# Altium PCB PCB2.PcbDoc (part 1 of 2) (continued)
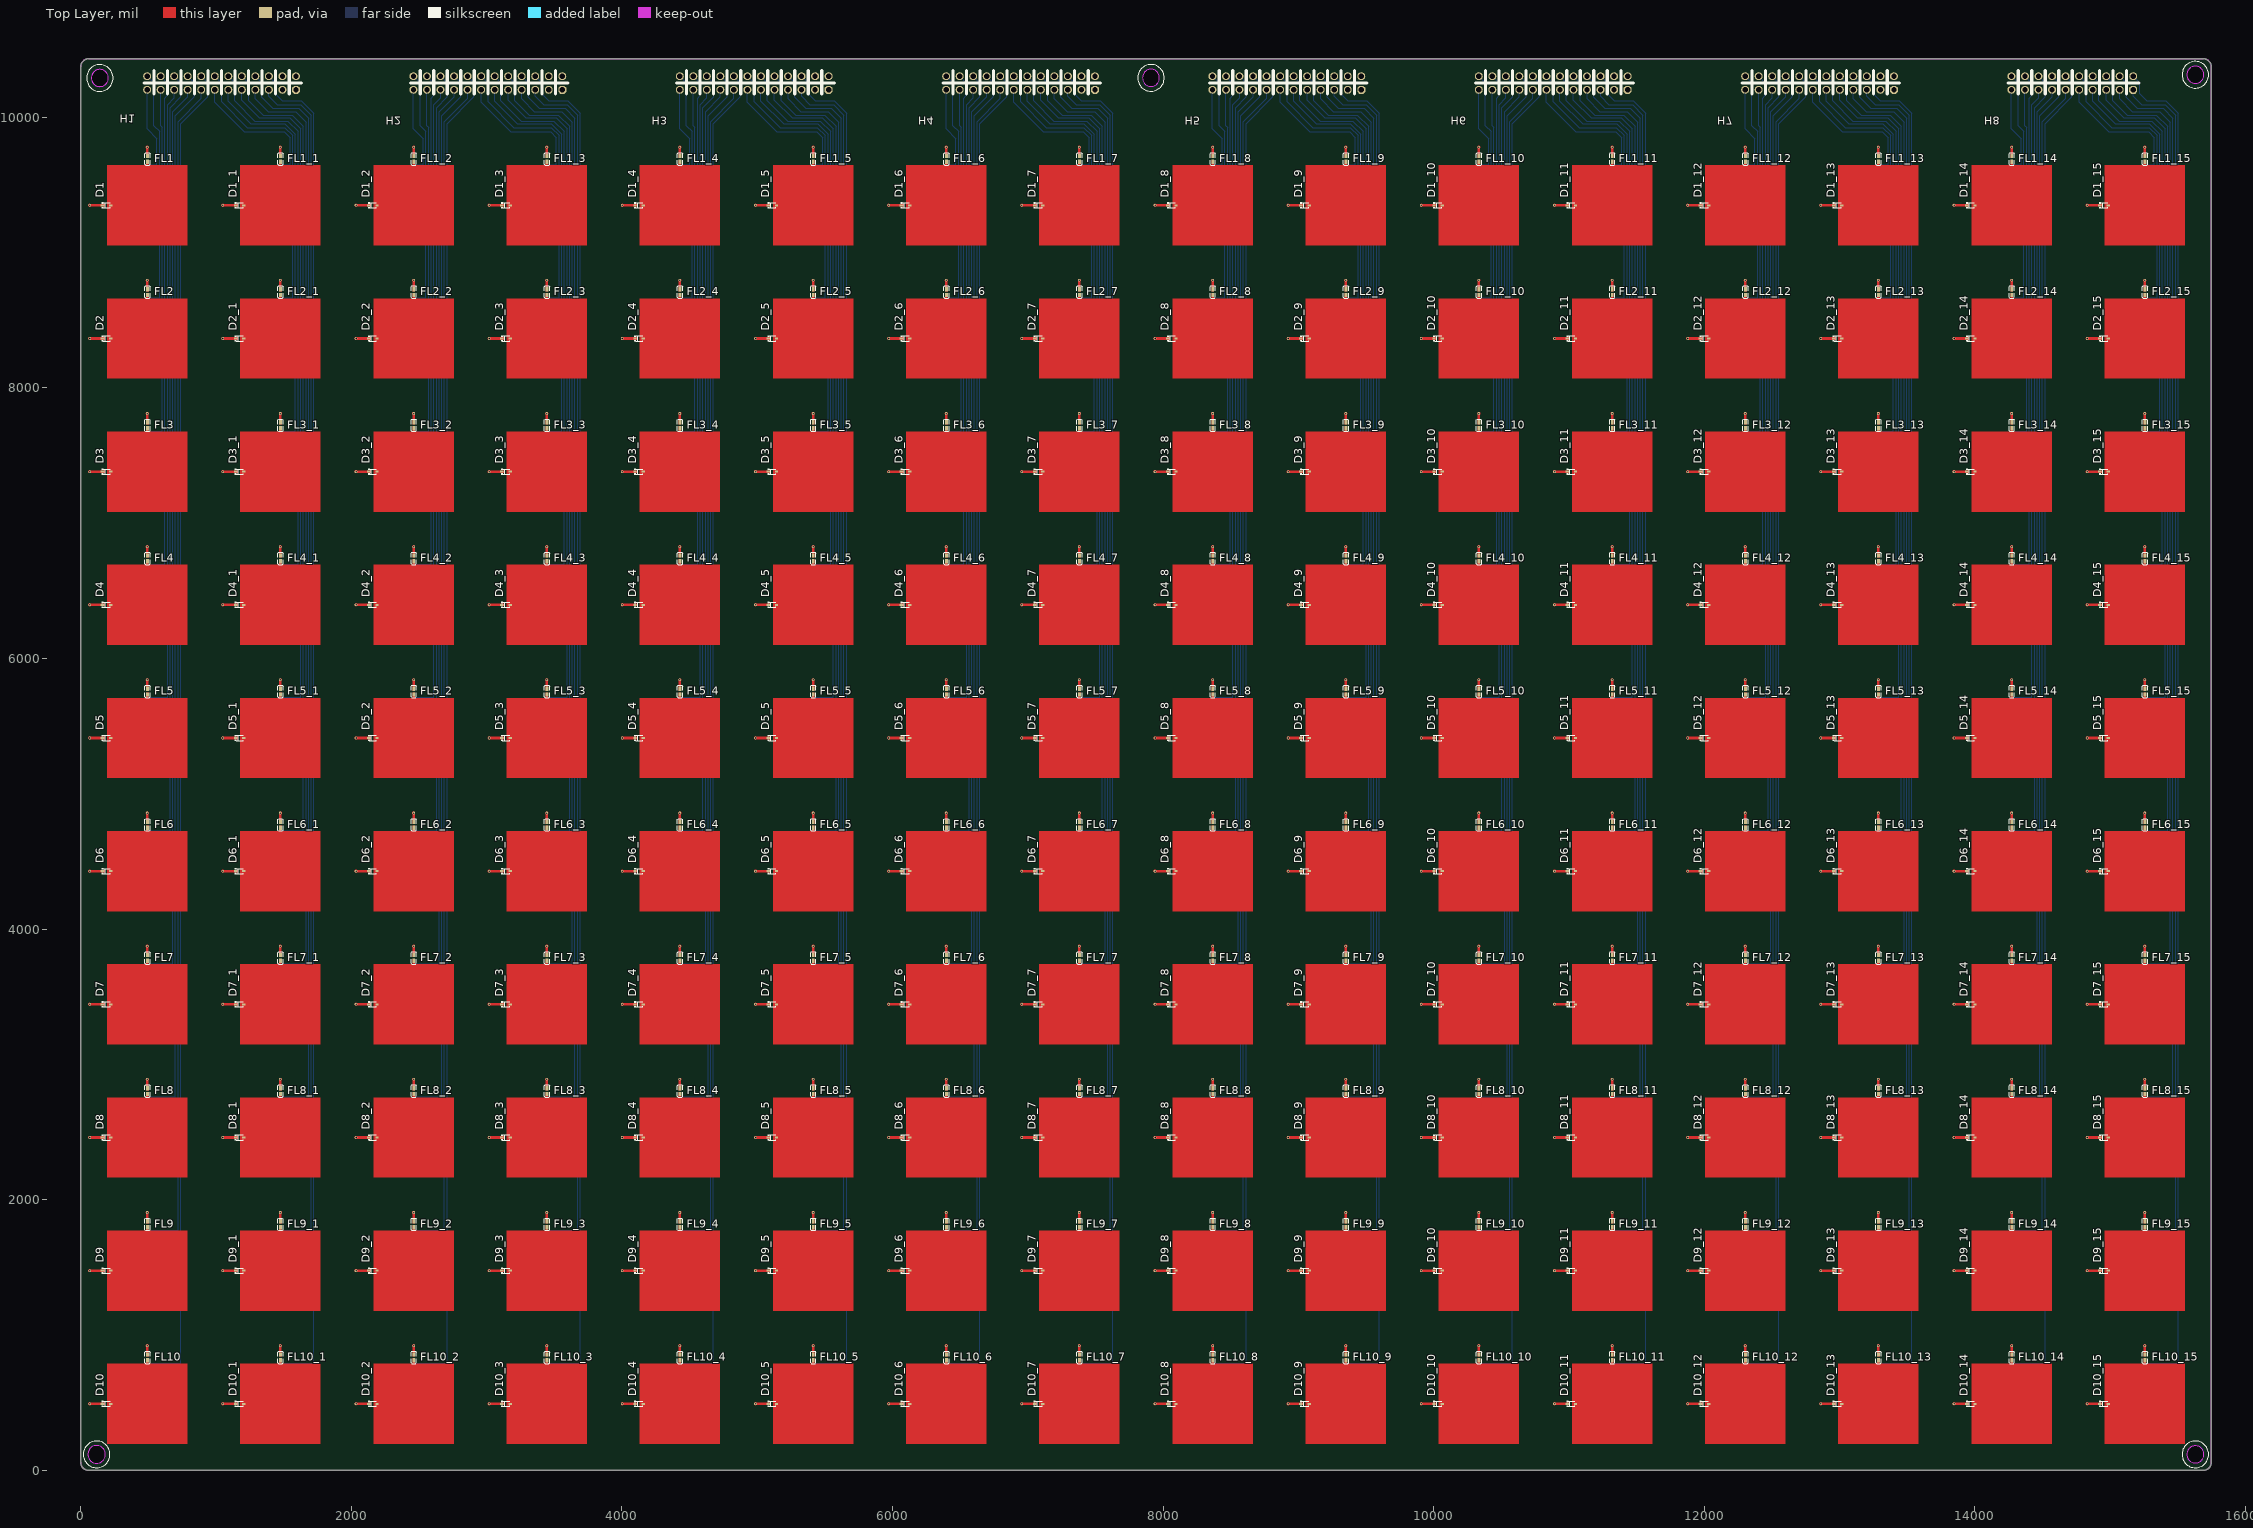
[diagram p0: Top Layer view]
## Components (designator, comment, footprint, x,y, rotation, side; value= is the part's Value field where it differs from the comment) (continued)
D10_8 "Comment" SC-79_L1.2-W0.8-LS1.6-RD 8064.86,490.57 r0 top locked
D10_9 "Comment" SC-79_L1.2-W0.8-LS1.6-RD 9049.11,490.57 r0 top locked
D10_10 "Comment" SC-79_L1.2-W0.8-LS1.6-RD 10033.36,490.57 r0 top locked
D10_11 "Comment" SC-79_L1.2-W0.8-LS1.6-RD 11017.61,490.57 r0 top locked
D10_12 "Comment" SC-79_L1.2-W0.8-LS1.6-RD 12001.87,490.57 r0 top locked
D10_13 "Comment" SC-79_L1.2-W0.8-LS1.6-RD 12986.12,490.57 r0 top locked
D10_14 "Comment" SC-79_L1.2-W0.8-LS1.6-RD 13970.37,490.57 r0 top locked
D10_15 "Comment" SC-79_L1.2-W0.8-LS1.6-RD 14954.62,490.57 r0 top locked
FL1 "Comment" L0402 492.84,9691.94 r270 top locked
FL1_1 "Comment" L0402 1477.09,9691.94 r270 top locked
FL1_2 "Comment" L0402 2461.35,9691.94 r270 top locked
FL1_3 "Comment" L0402 3445.6,9691.94 r270 top locked
FL1_4 "Comment" L0402 4429.85,9691.94 r270 top locked
FL1_5 "Comment" L0402 5414.1,9691.94 r270 top locked
FL1_6 "Comment" L0402 6398.35,9691.94 r270 top locked
FL1_7 "Comment" L0402 7382.61,9691.94 r270 top locked
FL1_8 "Comment" L0402 8366.86,9691.94 r270 top locked
FL1_9 "Comment" L0402 9351.11,9691.94 r270 top locked
FL1_10 "Comment" L0402 10335.36,9691.94 r270 top locked
FL1_11 "Comment" L0402 11319.61,9691.94 r270 top locked
FL1_12 "Comment" L0402 12303.87,9691.94 r270 top locked
FL1_13 "Comment" L0402 13288.12,9691.94 r270 top locked
FL1_14 "Comment" L0402 14272.37,9691.94 r270 top locked
FL1_15 "Comment" L0402 15256.62,9691.94 r270 top locked
FL2 "Comment" L0402 492.84,8707.69 r270 top locked
FL2_1 "Comment" L0402 1477.09,8707.69 r270 top locked
FL2_2 "Comment" L0402 2461.35,8707.69 r270 top locked
FL2_3 "Comment" L0402 3445.6,8707.69 r270 top locked
FL2_4 "Comment" L0402 4429.85,8707.69 r270 top locked
FL2_5 "Comment" L0402 5414.1,8707.69 r270 top locked
FL2_6 "Comment" L0402 6398.35,8707.69 r270 top locked
FL2_7 "Comment" L0402 7382.61,8707.69 r270 top locked
FL2_8 "Comment" L0402 8366.86,8707.69 r270 top locked
FL2_9 "Comment" L0402 9351.11,8707.69 r270 top locked
FL2_10 "Comment" L0402 10335.36,8707.69 r270 top locked
FL2_11 "Comment" L0402 11319.61,8707.69 r270 top locked
FL2_12 "Comment" L0402 12303.87,8707.69 r270 top locked
FL2_13 "Comment" L0402 13288.12,8707.69 r270 top locked
FL2_14 "Comment" L0402 14272.37,8707.69 r270 top locked
FL2_15 "Comment" L0402 15256.62,8707.69 r270 top locked
FL3 "Comment" L0402 492.84,7723.44 r270 top locked
FL3_1 "Comment" L0402 1477.09,7723.44 r270 top locked
FL3_2 "Comment" L0402 2461.35,7723.44 r270 top locked
FL3_3 "Comment" L0402 3445.6,7723.44 r270 top locked
FL3_4 "Comment" L0402 4429.85,7723.44 r270 top locked
FL3_5 "Comment" L0402 5414.1,7723.44 r270 top locked
FL3_6 "Comment" L0402 6398.35,7723.44 r270 top locked
FL3_7 "Comment" L0402 7382.61,7723.44 r270 top locked
FL3_8 "Comment" L0402 8366.86,7723.44 r270 top locked
FL3_9 "Comment" L0402 9351.11,7723.44 r270 top locked
FL3_10 "Comment" L0402 10335.36,7723.44 r270 top locked
FL3_11 "Comment" L0402 11319.61,7723.44 r270 top locked
FL3_12 "Comment" L0402 12303.87,7723.44 r270 top locked
FL3_13 "Comment" L0402 13288.12,7723.44 r270 top locked
FL3_14 "Comment" L0402 14272.37,7723.44 r270 top locked
FL3_15 "Comment" L0402 15256.62,7723.44 r270 top locked
FL4 "Comment" L0402 492.84,6739.19 r270 top locked
FL4_1 "Comment" L0402 1477.09,6739.19 r270 top locked
FL4_2 "Comment" L0402 2461.35,6739.19 r270 top locked
FL4_3 "Comment" L0402 3445.6,6739.19 r270 top locked
FL4_4 "Comment" L0402 4429.85,6739.19 r270 top locked
FL4_5 "Comment" L0402 5414.1,6739.19 r270 top locked
FL4_6 "Comment" L0402 6398.35,6739.19 r270 top locked
FL4_7 "Comment" L0402 7382.61,6739.19 r270 top locked
FL4_8 "Comment" L0402 8366.86,6739.19 r270 top locked
FL4_9 "Comment" L0402 9351.11,6739.19 r270 top locked
FL4_10 "Comment" L0402 10335.36,6739.19 r270 top locked
FL4_11 "Comment" L0402 11319.61,6739.19 r270 top locked
FL4_12 "Comment" L0402 12303.87,6739.19 r270 top locked
FL4_13 "Comment" L0402 13288.12,6739.19 r270 top locked
FL4_14 "Comment" L0402 14272.37,6739.19 r270 top locked
FL4_15 "Comment" L0402 15256.62,6739.19 r270 top locked
FL5 "Comment" L0402 492.84,5754.93 r270 top locked
FL5_1 "Comment" L0402 1477.09,5754.93 r270 top locked
FL5_2 "Comment" L0402 2461.35,5754.93 r270 top locked
FL5_3 "Comment" L0402 3445.6,5754.93 r270 top locked
FL5_4 "Comment" L0402 4429.85,5754.93 r270 top locked
FL5_5 "Comment" L0402 5414.1,5754.93 r270 top locked
FL5_6 "Comment" L0402 6398.35,5754.93 r270 top locked
FL5_7 "Comment" L0402 7382.61,5754.93 r270 top locked
FL5_8 "Comment" L0402 8366.86,5754.93 r270 top locked
FL5_9 "Comment" L0402 9351.11,5754.93 r270 top locked
FL5_10 "Comment" L0402 10335.36,5754.93 r270 top locked
FL5_11 "Comment" L0402 11319.61,5754.93 r270 top locked
FL5_12 "Comment" L0402 12303.87,5754.93 r270 top locked
FL5_13 "Comment" L0402 13288.12,5754.93 r270 top locked
FL5_14 "Comment" L0402 14272.37,5754.93 r270 top locked
FL5_15 "Comment" L0402 15256.62,5754.93 r270 top locked
FL6 "Comment" L0402 492.84,4770.68 r270 top locked
FL6_1 "Comment" L0402 1477.09,4770.68 r270 top locked
FL6_2 "Comment" L0402 2461.35,4770.68 r270 top locked
FL6_3 "Comment" L0402 3445.6,4770.68 r270 top locked
FL6_4 "Comment" L0402 4429.85,4770.68 r270 top locked
FL6_5 "Comment" L0402 5414.1,4770.68 r270 top locked
FL6_6 "Comment" L0402 6398.35,4770.68 r270 top locked
FL6_7 "Comment" L0402 7382.61,4770.68 r270 top locked
FL6_8 "Comment" L0402 8366.86,4770.68 r270 top locked
FL6_9 "Comment" L0402 9351.11,4770.68 r270 top locked
FL6_10 "Comment" L0402 10335.36,4770.68 r270 top locked
FL6_11 "Comment" L0402 11319.61,4770.68 r270 top locked
FL6_12 "Comment" L0402 12303.87,4770.68 r270 top locked
FL6_13 "Comment" L0402 13288.12,4770.68 r270 top locked
FL6_14 "Comment" L0402 14272.37,4770.68 r270 top locked
FL6_15 "Comment" L0402 15256.62,4770.68 r270 top locked
FL7 "Comment" L0402 492.84,3786.43 r270 top locked
FL7_1 "Comment" L0402 1477.09,3786.43 r270 top locked
FL7_2 "Comment" L0402 2461.35,3786.43 r270 top locked
FL7_3 "Comment" L0402 3445.6,3786.43 r270 top locked
FL7_4 "Comment" L0402 4429.85,3786.43 r270 top locked
FL7_5 "Comment" L0402 5414.1,3786.43 r270 top locked
FL7_6 "Comment" L0402 6398.35,3786.43 r270 top locked
FL7_7 "Comment" L0402 7382.61,3786.43 r270 top locked
FL7_8 "Comment" L0402 8366.86,3786.43 r270 top locked
FL7_9 "Comment" L0402 9351.11,3786.43 r270 top locked
FL7_10 "Comment" L0402 10335.36,3786.43 r270 top locked
FL7_11 "Comment" L0402 11319.61,3786.43 r270 top locked
FL7_12 "Comment" L0402 12303.87,3786.43 r270 top locked
FL7_13 "Comment" L0402 13288.12,3786.43 r270 top locked
FL7_14 "Comment" L0402 14272.37,3786.43 r270 top locked
FL7_15 "Comment" L0402 15256.62,3786.43 r270 top locked
FL8 "Comment" L0402 492.84,2802.18 r270 top locked
FL8_1 "Comment" L0402 1477.09,2802.18 r270 top locked
FL8_2 "Comment" L0402 2461.35,2802.18 r270 top locked
FL8_3 "Comment" L0402 3445.6,2802.18 r270 top locked
FL8_4 "Comment" L0402 4429.85,2802.18 r270 top locked
FL8_5 "Comment" L0402 5414.1,2802.18 r270 top locked
FL8_6 "Comment" L0402 6398.35,2802.18 r270 top locked
FL8_7 "Comment" L0402 7382.61,2802.18 r270 top locked
FL8_8 "Comment" L0402 8366.86,2802.18 r270 top locked
FL8_9 "Comment" L0402 9351.11,2802.18 r270 top locked
FL8_10 "Comment" L0402 10335.36,2802.18 r270 top locked
FL8_11 "Comment" L0402 11319.61,2802.18 r270 top locked
FL8_12 "Comment" L0402 12303.87,2802.18 r270 top locked
FL8_13 "Comment" L0402 13288.12,2802.18 r270 top locked
FL8_14 "Comment" L0402 14272.37,2802.18 r270 top locked
FL8_15 "Comment" L0402 15256.62,2802.18 r270 top locked
FL9 "Comment" L0402 492.84,1817.93 r270 top locked
FL9_1 "Comment" L0402 1477.09,1817.93 r270 top locked
FL9_2 "Comment" L0402 2461.35,1817.93 r270 top locked
FL9_3 "Comment" L0402 3445.6,1817.93 r270 top locked
FL9_4 "Comment" L0402 4429.85,1817.93 r270 top locked
FL9_5 "Comment" L0402 5414.1,1817.93 r270 top locked
FL9_6 "Comment" L0402 6398.35,1817.93 r270 top locked
FL9_7 "Comment" L0402 7382.61,1817.93 r270 top locked
FL9_8 "Comment" L0402 8366.86,1817.93 r270 top locked
FL9_9 "Comment" L0402 9351.11,1817.93 r270 top locked
FL9_10 "Comment" L0402 10335.36,1817.93 r270 top locked
FL9_11 "Comment" L0402 11319.61,1817.93 r270 top locked
FL9_12 "Comment" L0402 12303.87,1817.93 r270 top locked
FL9_13 "Comment" L0402 13288.12,1817.93 r270 top locked
FL9_14 "Comment" L0402 14272.37,1817.93 r270 top locked
FL9_15 "Comment" L0402 15256.62,1817.93 r270 top locked
FL10 "Comment" L0402 492.84,833.67 r270 top locked
FL10_1 "Comment" L0402 1477.09,833.67 r270 top locked
FL10_2 "Comment" L0402 2461.35,833.67 r270 top locked
FL10_3 "Comment" L0402 3445.6,833.67 r270 top locked
FL10_4 "Comment" L0402 4429.85,833.67 r270 top locked
FL10_5 "Comment" L0402 5414.1,833.67 r270 top locked
FL10_6 "Comment" L0402 6398.35,833.67 r270 top locked
FL10_7 "Comment" L0402 7382.61,833.67 r270 top locked
FL10_8 "Comment" L0402 8366.86,833.67 r270 top locked
FL10_9 "Comment" L0402 9351.11,833.67 r270 top locked
FL10_10 "Comment" L0402 10335.36,833.67 r270 top locked
FL10_11 "Comment" L0402 11319.61,833.67 r270 top locked
FL10_12 "Comment" L0402 12303.87,833.67 r270 top locked
FL10_13 "Comment" L0402 13288.12,833.67 r270 top locked
FL10_14 "Comment" L0402 14272.37,833.67 r270 top locked
FL10_15 "Comment" L0402 15256.62,833.67 r270 top locked
H1 "Comment" IDC2.54-24P 1591,10203 r180 bottom
H2 "Comment" IDC2.54-24P 3559.5,10203 r180 bottom
H3 "Comment" IDC2.54-24P 5528.01,10203 r180 bottom
H4 "Comment" IDC2.54-24P 7496.51,10203 r180 bottom
H5 "Comment" IDC2.54-24P 9465.02,10203 r180 bottom
H6 "Comment" IDC2.54-24P 11433.52,10203 r180 bottom
H7 "Comment" IDC2.54-24P 13402.02,10203 r180 bottom
H8 "Comment" IDC2.54-20P 15170.53,10203 r180 bottom
L1 "Comment" L0402 492.84,9691.84 r90 bottom locked
L1_1 "Comment" L0402 1477.09,9691.84 r90 bottom locked
L1_2 "Comment" L0402 2461.22,9691.84 r90 bottom locked
L1_3 "Comment" L0402 3445.6,9691.84 r90 bottom locked
L1_4 "Comment" L0402 4429.85,9691.84 r90 bottom locked
L1_5 "Comment" L0402 5414.1,9691.84 r90 bottom locked
L1_6 "Comment" L0402 6398.35,9691.84 r90 bottom locked
L1_7 "Comment" L0402 7382.61,9691.84 r90 bottom locked
L1_8 "Comment" L0402 8366.86,9691.84 r90 bottom locked
L1_9 "Comment" L0402 9351.11,9691.84 r90 bottom locked
L1_10 "Comment" L0402 10335.36,9691.84 r90 bottom locked
L1_11 "Comment" L0402 11319.61,9691.84 r90 bottom locked
L1_12 "Comment" L0402 12303.87,9691.84 r90 bottom locked
L1_13 "Comment" L0402 13288.12,9691.84 r90 bottom locked
L1_14 "Comment" L0402 14272.37,9691.84 r90 bottom locked
L1_15 "Comment" L0402 15256.62,9691.84 r90 bottom locked
L2 "Comment" L0402 492.84,8707.59 r90 bottom locked
L2_1 "Comment" L0402 1477.09,8707.59 r90 bottom locked
L2_2 "Comment" L0402 2461.22,8707.59 r90 bottom locked
L2_3 "Comment" L0402 3445.6,8707.59 r90 bottom locked
L2_4 "Comment" L0402 4429.85,8707.59 r90 bottom locked
L2_5 "Comment" L0402 5414.1,8707.59 r90 bottom locked
L2_6 "Comment" L0402 6398.35,8707.59 r90 bottom locked
L2_7 "Comment" L0402 7382.61,8707.59 r90 bottom locked
L2_8 "Comment" L0402 8366.86,8707.59 r90 bottom locked
L2_9 "Comment" L0402 9351.11,8707.59 r90 bottom locked
L2_10 "Comment" L0402 10335.36,8707.59 r90 bottom locked
L2_11 "Comment" L0402 11319.61,8707.59 r90 bottom locked
L2_12 "Comment" L0402 12303.87,8707.59 r90 bottom locked
L2_13 "Comment" L0402 13288.12,8707.59 r90 bottom locked
L2_14 "Comment" L0402 14272.37,8707.59 r90 bottom locked
L2_15 "Comment" L0402 15256.62,8707.59 r90 bottom locked
L3 "Comment" L0402 492.84,7723.34 r90 bottom locked
L3_1 "Comment" L0402 1477.09,7723.34 r90 bottom locked
L3_2 "Comment" L0402 2461.22,7723.34 r90 bottom locked
L3_3 "Comment" L0402 3445.6,7723.34 r90 bottom locked
L3_4 "Comment" L0402 4429.85,7723.34 r90 bottom locked
L3_5 "Comment" L0402 5414.1,7723.34 r90 bottom locked
L3_6 "Comment" L0402 6398.35,7723.34 r90 bottom locked
L3_7 "Comment" L0402 7382.61,7723.34 r90 bottom locked
L3_8 "Comment" L0402 8366.86,7723.34 r90 bottom locked
L3_9 "Comment" L0402 9351.11,7723.34 r90 bottom locked
L3_10 "Comment" L0402 10335.36,7723.34 r90 bottom locked
L3_11 "Comment" L0402 11319.61,7723.34 r90 bottom locked
L3_12 "Comment" L0402 12303.87,7723.34 r90 bottom locked
L3_13 "Comment" L0402 13288.12,7723.34 r90 bottom locked
L3_14 "Comment" L0402 14272.37,7723.34 r90 bottom locked
L3_15 "Comment" L0402 15256.62,7723.34 r90 bottom locked
L4 "Comment" L0402 492.84,6739.09 r90 bottom locked
L4_1 "Comment" L0402 1477.09,6739.09 r90 bottom locked
L4_2 "Comment" L0402 2461.22,6739.09 r90 bottom locked
L4_3 "Comment" L0402 3445.6,6739.09 r90 bottom locked
L4_4 "Comment" L0402 4429.85,6739.09 r90 bottom locked
L4_5 "Comment" L0402 5414.1,6739.09 r90 bottom locked
L4_6 "Comment" L0402 6398.35,6739.09 r90 bottom locked
L4_7 "Comment" L0402 7382.61,6739.09 r90 bottom locked
L4_8 "Comment" L0402 8366.86,6739.09 r90 bottom locked
L4_9 "Comment" L0402 9351.11,6739.09 r90 bottom locked
L4_10 "Comment" L0402 10335.36,6739.09 r90 bottom locked
L4_11 "Comment" L0402 11319.61,6739.09 r90 bottom locked
L4_12 "Comment" L0402 12303.87,6739.09 r90 bottom locked
L4_13 "Comment" L0402 13288.12,6739.09 r90 bottom locked
L4_14 "Comment" L0402 14272.37,6739.09 r90 bottom locked
L4_15 "Comment" L0402 15256.62,6739.09 r90 bottom locked
L5 "Comment" L0402 492.84,5754.83 r90 bottom locked
L5_1 "Comment" L0402 1477.09,5754.83 r90 bottom locked
L5_2 "Comment" L0402 2461.22,5754.83 r90 bottom locked
L5_3 "Comment" L0402 3445.6,5754.83 r90 bottom locked
L5_4 "Comment" L0402 4429.85,5754.83 r90 bottom locked
L5_5 "Comment" L0402 5414.1,5754.83 r90 bottom locked
L5_6 "Comment" L0402 6398.35,5754.83 r90 bottom locked
L5_7 "Comment" L0402 7382.61,5754.83 r90 bottom locked
L5_8 "Comment" L0402 8366.86,5754.83 r90 bottom locked
L5_9 "Comment" L0402 9351.11,5754.83 r90 bottom locked
L5_10 "Comment" L0402 10335.36,5754.83 r90 bottom locked
L5_11 "Comment" L0402 11319.61,5754.83 r90 bottom locked
L5_12 "Comment" L0402 12303.87,5754.83 r90 bottom locked
L5_13 "Comment" L0402 13288.12,5754.83 r90 bottom locked
L5_14 "Comment" L0402 14272.37,5754.83 r90 bottom locked
L5_15 "Comment" L0402 15256.62,5754.83 r90 bottom locked
L6 "Comment" L0402 492.84,4770.58 r90 bottom locked
L6_1 "Comment" L0402 1477.09,4770.58 r90 bottom locked
L6_2 "Comment" L0402 2461.22,4770.58 r90 bottom locked
L6_3 "Comment" L0402 3445.6,4770.58 r90 bottom locked
L6_4 "Comment" L0402 4429.85,4770.58 r90 bottom locked
L6_5 "Comment" L0402 5414.1,4770.58 r90 bottom locked
L6_6 "Comment" L0402 6398.35,4770.58 r90 bottom locked
L6_7 "Comment" L0402 7382.61,4770.58 r90 bottom locked
L6_8 "Comment" L0402 8366.86,4770.58 r90 bottom locked
L6_9 "Comment" L0402 9351.11,4770.58 r90 bottom locked
L6_10 "Comment" L0402 10335.36,4770.58 r90 bottom locked
L6_11 "Comment" L0402 11319.61,4770.58 r90 bottom locked
L6_12 "Comment" L0402 12303.87,4770.58 r90 bottom locked
L6_13 "Comment" L0402 13288.12,4770.58 r90 bottom locked
L6_14 "Comment" L0402 14272.37,4770.58 r90 bottom locked
L6_15 "Comment" L0402 15256.62,4770.58 r90 bottom locked
L7 "Comment" L0402 492.84,3786.33 r90 bottom locked
L7_1 "Comment" L0402 1477.09,3786.33 r90 bottom locked
L7_2 "Comment" L0402 2461.22,3786.33 r90 bottom locked
L7_3 "Comment" L0402 3445.6,3786.33 r90 bottom locked
L7_4 "Comment" L0402 4429.85,3786.33 r90 bottom locked
L7_5 "Comment" L0402 5414.1,3786.33 r90 bottom locked
L7_6 "Comment" L0402 6398.35,3786.33 r90 bottom locked
L7_7 "Comment" L0402 7382.61,3786.33 r90 bottom locked
L7_8 "Comment" L0402 8366.86,3786.33 r90 bottom locked
L7_9 "Comment" L0402 9351.11,3786.33 r90 bottom locked
L7_10 "Comment" L0402 10335.36,3786.33 r90 bottom locked
L7_11 "Comment" L0402 11319.61,3786.33 r90 bottom locked
L7_12 "Comment" L0402 12303.87,3786.33 r90 bottom locked
L7_13 "Comment" L0402 13288.12,3786.33 r90 bottom locked
L7_14 "Comment" L0402 14272.37,3786.33 r90 bottom locked
L7_15 "Comment" L0402 15256.62,3786.33 r90 bottom locked
L8 "Comment" L0402 492.84,2802.08 r90 bottom locked
L8_1 "Comment" L0402 1477.09,2802.08 r90 bottom locked
L8_2 "Comment" L0402 2461.22,2802.08 r90 bottom locked
L8_3 "Comment" L0402 3445.6,2802.08 r90 bottom locked
L8_4 "Comment" L0402 4429.85,2802.08 r90 bottom locked
L8_5 "Comment" L0402 5414.1,2802.08 r90 bottom locked
L8_6 "Comment" L0402 6398.35,2802.08 r90 bottom locked
L8_7 "Comment" L0402 7382.61,2802.08 r90 bottom locked
L8_8 "Comment" L0402 8366.86,2802.08 r90 bottom locked
L8_9 "Comment" L0402 9351.11,2802.08 r90 bottom locked
L8_10 "Comment" L0402 10335.36,2802.08 r90 bottom locked
L8_11 "Comment" L0402 11319.61,2802.08 r90 bottom locked
L8_12 "Comment" L0402 12303.87,2802.08 r90 bottom locked
L8_13 "Comment" L0402 13288.12,2802.08 r90 bottom locked
L8_14 "Comment" L0402 14272.37,2802.08 r90 bottom locked
L8_15 "Comment" L0402 15256.62,2802.08 r90 bottom locked
L9 "Comment" L0402 492.84,1817.83 r90 bottom locked
L9_1 "Comment" L0402 1477.09,1817.83 r90 bottom locked
L9_2 "Comment" L0402 2461.22,1817.83 r90 bottom locked
L9_3 "Comment" L0402 3445.6,1817.83 r90 bottom locked
L9_4 "Comment" L0402 4429.85,1817.83 r90 bottom locked
L9_5 "Comment" L0402 5414.1,1817.83 r90 bottom locked
L9_6 "Comment" L0402 6398.35,1817.83 r90 bottom locked
L9_7 "Comment" L0402 7382.61,1817.83 r90 bottom locked
L9_8 "Comment" L0402 8366.86,1817.83 r90 bottom locked
L9_9 "Comment" L0402 9351.11,1817.83 r90 bottom locked
L9_10 "Comment" L0402 10335.36,1817.83 r90 bottom locked
L9_11 "Comment" L0402 11319.61,1817.83 r90 bottom locked
L9_12 "Comment" L0402 12303.87,1817.83 r90 bottom locked
L9_13 "Comment" L0402 13288.12,1817.83 r90 bottom locked
L9_14 "Comment" L0402 14272.37,1817.83 r90 bottom locked
L9_15 "Comment" L0402 15256.62,1817.83 r90 bottom locked
L10 "Comment" L0402 492.84,833.57 r90 bottom locked
L10_1 "Comment" L0402 1477.09,833.57 r90 bottom locked
L10_2 "Comment" L0402 2461.22,833.57 r90 bottom locked
L10_3 "Comment" L0402 3445.6,833.57 r90 bottom locked
L10_4 "Comment" L0402 4429.85,833.57 r90 bottom locked
L10_5 "Comment" L0402 5414.1,833.57 r90 bottom locked
L10_6 "Comment" L0402 6398.35,833.57 r90 bottom locked
L10_7 "Comment" L0402 7382.61,833.57 r90 bottom locked
L10_8 "Comment" L0402 8366.86,833.57 r90 bottom locked
L10_9 "Comment" L0402 9351.11,833.57 r90 bottom locked
L10_10 "Comment" L0402 10335.36,833.57 r90 bottom locked
L10_11 "Comment" L0402 11319.61,833.57 r90 bottom locked
L10_12 "Comment" L0402 12303.87,833.57 r90 bottom locked
L10_13 "Comment" L0402 13288.12,833.57 r90 bottom locked
L10_14 "Comment" L0402 14272.37,833.57 r90 bottom locked
L10_15 "Comment" L0402 15256.62,833.57 r90 bottom locked

## Footprints (in the part's own frame and the unit in brackets; to place one, negate y for a bottom-side part, rotate by r counter-clockwise, add the part's x,y. Pads: shape width x height; smd on the part's side, far side on the other; paste and mask are expansions set on the pad)
IDC2.54-20P [mm]
  oct 1.5x1.5 hole 1: 1(0,0)
  round 1.5 hole 1: 2(0,2.54) 3(2.54,0) 4(2.54,2.54) 5(5.08,0) 6(5.08,2.54) 7(7.62,0) 8(7.62,2.54) 9(10.16,0) 10(10.16,2.54) 11(12.7,0) 12(12.7,2.54) 13(15.24,0) 14(15.24,2.54) 15(17.78,0) 16(17.78,2.54) 17(20.32,0) 18(20.32,2.54) 19(22.86,0) 20(22.86,2.54)
  silkscreen extent -5.27,-4.19 28.13,5.81, body extent -5.07,-2.98 27.93,5.87, height 9.13
IDC2.54-24P [mm]
  oct 1.5x1.5 hole 1: 1(0,0)
  round 1.5 hole 1: 2(0,2.54) 3(2.54,0) 4(2.54,2.54) 5(5.08,0) 6(5.08,2.54) 7(7.62,0) 8(7.62,2.54) 9(10.16,0) 10(10.16,2.54) 11(12.7,0) 12(12.7,2.54) 13(15.24,0) 14(15.24,2.54) 15(17.78,0) 16(17.78,2.54) 17(20.32,0) 18(20.32,2.54) 19(22.86,0) 20(22.86,2.54) 21(25.4,0) 22(25.4,2.54) 23(27.94,0) 24(27.94,2.54)
  silkscreen extent -5.3,-4.19 33.36,5.84, body extent -5.07,-2.98 33.01,5.87, height 8.92
L0402 [mm]
  rect 0.79x0.54 smd: 1(-0.545,0) 2(0.545,0)
  silkscreen extent -1.17,-0.5 1.17,0.5
SC-79_L1.2-W0.8-LS1.6-RD [mm]
  rect 0.63x0.36 smd: 1(-0.785,0) 2(0.785,0)
  silkscreen extent -0.9,-0.55 0.68,0.55

## Via types
v1: diameter 19.68, hole 11.81, Top Layer to Bottom Layer, tented both sides, 320 vias

## Nets (pads, with @x,y where several pads share a name; then routed paths per layer and width w, separated by ;. In a path a pad name is that pad's centre, name@x,y a point inside that pad or via, vN(x,y) a via of type N, cw(c..) or ccw(c..) an arc to the next point about the centre after c; other vN are vias at no path point)
GND: D1.1 D1_1.1 D1_2.1 D1_3.1 D1_4.1 D1_5.1 D1_6.1 D1_7.1 D1_8.1 D1_9.1 D1_10.1 D1_11.1 D1_12.1 D1_13.1 D1_14.1 D1_15.1 D2.1 D2_1.1 D2_2.1 D2_3.1 D2_4.1 D2_5.1 D2_6.1 D2_7.1 D2_8.1 D2_9.1 D2_10.1 D2_11.1 D2_12.1 D2_13.1 D2_14.1 D2_15.1 D3.1 D3_1.1 D3_2.1 D3_3.1 D3_4.1 D3_5.1 D3_6.1 D3_7.1 D3_8.1 D3_9.1 D3_10.1 D3_11.1 D3_12.1 D3_13.1 D3_14.1 D3_15.1 D4.1 D4_1.1 D4_2.1 D4_3.1 D4_4.1 D4_5.1 D4_6.1 D4_7.1 D4_8.1 D4_9.1 D4_10.1 D4_11.1 D4_12.1 D4_13.1 D4_14.1 D4_15.1 D5.1 D5_1.1 D5_2.1 D5_3.1 D5_4.1 D5_5.1 D5_6.1 D5_7.1 D5_8.1 D5_9.1 D5_10.1 D5_11.1 D5_12.1 D5_13.1 D5_14.1 D5_15.1 D6.1 D6_1.1 D6_2.1 D6_3.1 D6_4.1 D6_5.1 D6_6.1 D6_7.1 D6_8.1 D6_9.1 D6_10.1 D6_11.1 D6_12.1 D6_13.1 D6_14.1 D6_15.1 D7.1 D7_1.1 D7_2.1 D7_3.1 D7_4.1 D7_5.1 D7_6.1 D7_7.1 D7_8.1 D7_9.1 D7_10.1 D7_11.1 D7_12.1 D7_13.1 D7_14.1 D7_15.1 D8.1 D8_1.1 D8_2.1 D8_3.1 D8_4.1 D8_5.1 D8_6.1 D8_7.1 D8_8.1 D8_9.1 D8_10.1 D8_11.1 D8_12.1 D8_13.1 D8_14.1 D8_15.1 D9.1 D9_1.1 D9_2.1 D9_3.1 D9_4.1 D9_5.1 D9_6.1 D9_7.1 D9_8.1 D9_9.1 D9_10.1 D9_11.1 D9_12.1 D9_13.1 D9_14.1 D9_15.1 D10.1 D10_1.1 D10_2.1 D10_3.1 D10_4.1 D10_5.1 D10_6.1 D10_7.1 D10_8.1 D10_9.1 D10_10.1 D10_11.1 D10_12.1 D10_13.1 D10_14.1 D10_15.1 H1.1 H1.2 H1.3 H1.4 H2.1 H2.2 H2.3 H2.4 H3.1 H3.2 H3.3 H3.4 H4.1 H4.2 H4.3 H4.4 H5.1 H5.2 H5.3 H5.4 H6.1 H6.2 H6.3 H6.4 H7.1 H7.2 H7.3 H7.4
  other v1: 66.77,490.97 1051.02,490.97 2035.28,490.97 3019.53,490.97 4003.78,490.97 4988.03,490.97 5972.28,490.97 6956.54,490.97 7940.79,490.97 8925.04,490.97 9909.29,490.97 10893.54,490.97 11877.8,490.97 12862.05,490.97 13846.3,490.97 14830.55,490.97 66.77,1475.22 1051.02,1475.22 2035.28,1475.22 3019.53,1475.22 4003.78,1475.22 4988.03,1475.22 5972.28,1475.22 6956.54,1475.22 7940.79,1475.22 8925.04,1475.22 9909.29,1475.22 10893.54,1475.22 11877.8,1475.22 12862.05,1475.22 13846.3,1475.22 14830.55,1475.22 66.77,2459.47 1051.02,2459.47 2035.28,2459.47 3019.53,2459.47 4003.78,2459.47 4988.03,2459.47 5972.28,2459.47 6956.54,2459.47 7940.79,2459.47 8925.04,2459.47 9909.29,2459.47 10893.54,2459.47 11877.8,2459.47 12862.05,2459.47 13846.3,2459.47 14830.55,2459.47 66.77,3443.72 1051.02,3443.72 2035.28,3443.72 3019.53,3443.72 4003.78,3443.72 4988.03,3443.72 5972.28,3443.72 6956.54,3443.72 7940.79,3443.72 8925.04,3443.72 9909.29,3443.72 10893.54,3443.72 11877.8,3443.72 12862.05,3443.72 13846.3,3443.72 14830.55,3443.72 66.77,4427.98 1051.02,4427.98 2035.28,4427.98 3019.53,4427.98 4003.78,4427.98 4988.03,4427.98 5972.28,4427.98 6956.54,4427.98 7940.79,4427.98 8925.04,4427.98 9909.29,4427.98 10893.54,4427.98 11877.8,4427.98 12862.05,4427.98 13846.3,4427.98 14830.55,4427.98 66.77,5412.23 1051.02,5412.23 2035.28,5412.23 3019.53,5412.23 4003.78,5412.23 4988.03,5412.23 5972.28,5412.23 6956.54,5412.23 7940.79,5412.23 8925.04,5412.23 9909.29,5412.23 10893.54,5412.23 11877.8,5412.23 12862.05,5412.23 13846.3,5412.23 14830.55,5412.23 66.77,6396.48 1051.02,6396.48 2035.28,6396.48 3019.53,6396.48 4003.78,6396.48 4988.03,6396.48 5972.28,6396.48 6956.54,6396.48 7940.79,6396.48 8925.04,6396.48 9909.29,6396.48 10893.54,6396.48 11877.8,6396.48 12862.05,6396.48 13846.3,6396.48 14830.55,6396.48 66.77,7380.73 1051.02,7380.73 2035.28,7380.73 3019.53,7380.73 4003.78,7380.73 4988.03,7380.73 5972.28,7380.73 6956.54,7380.73 7940.79,7380.73 8925.04,7380.73 9909.29,7380.73 10893.54,7380.73 11877.8,7380.73 12862.05,7380.73 13846.3,7380.73 14830.55,7380.73 66.77,8364.98 1051.02,8364.98 2035.28,8364.98 3019.53,8364.98 4003.78,8364.98 4988.03,8364.98 5972.28,8364.98 6956.54,8364.98 7940.79,8364.98 8925.04,8364.98 9909.29,8364.98 10893.54,8364.98 11877.8,8364.98 12862.05,8364.98 13846.3,8364.98 14830.55,8364.98 66.77,9349.24 1051.02,9349.24 2035.28,9349.24 3019.53,9349.24 4003.78,9349.24 4988.03,9349.24 5972.28,9349.24 6956.54,9349.24 7940.79,9349.24 8925.04,9349.24 9909.29,9349.24 10893.54,9349.24 11877.8,9349.24 12862.05,9349.24 13846.3,9349.24 14830.55,9349.24
NewNet1: FL2_15.1 L2_15.2 | length 71.5
  Bottom Layer w7.87: L2_15.2@15255.75,8722.59 v1(15255.75,8794.12)
NewNet2: H8.10 L2_15.1 | length 2157.3
  Bottom Layer w7.87: H8.10@14770.53,10303 14821.53,10252 14821.53,10114 15011.53,9924 15287.53,9924 15346.43,9865.1 15346.43,9842 15346.43,8664.59 15255.75,8664.59 L2_15.1@15255.75,8692.59
NewNet3: FL3_15.1 L3_15.2 | length 71.5
  Bottom Layer w7.87: L3_15.2@15255.75,7738.34 v1(15255.75,7809.87)
NewNet4: H8.7 L3_15.1 | length 3013.9
  Bottom Layer w7.87: H8.7@14870.53,10203 14870.53,10119 15037.53,9952 15289.53,9952 15366.11,9875.42 15366.11,9842 15366.11,7680.34 15255.75,7680.34 L3_15.1@15255.75,7708.34
NewNet5: FL4_15.1 L4_15.2 | length 71.5
  Bottom Layer w7.87: L4_15.2@15255.75,6754.09 v1(15255.75,6825.61)
NewNet6: H8.8 L4_15.1 | length 4119.6
  Bottom Layer w7.87: H8.8@14870.53,10303 14917.53,10256 14917.53,10122 15067.53,9972 15308.53,9972 15385.8,9894.73 15385.8,9842 15385.8,6696.09 15255.75,6696.09 L4_15.1@15255.75,6724.09
NewNet7: FL5_15.1 L5_15.2 | length 71.5
  Bottom Layer w7.87: L5_15.2@15255.75,5769.83 v1(15255.75,5841.36)
NewNet8: H8.5 L5_15.1 | length 4980.3
  Bottom Layer w7.87: H8.5@14970.53,10203 14970.53,10126 15100.53,9996 15324.53,9996 15405.48,9915.05 15405.48,9842 15405.48,5711.83 15255.75,5711.83 L5_15.1@15255.75,5739.83
NewNet9: FL6_15.1 L6_15.2 | length 71.5
  Bottom Layer w7.87: L6_15.2@15255.75,4785.58 v1(15255.75,4857.11)
NewNet10: H8.6 L6_15.1 | length 6086.5
  Bottom Layer w7.87: H8.6@14970.53,10303 15020.53,10253 15020.53,10123 15127.53,10016 15341.53,10016 15425.17,9932.36 15425.17,9842 15425.17,4727.58 15255.75,4727.58 L6_15.1@15255.75,4755.58
NewNet11: FL7_15.1 L7_15.2 | length 71.5
  Bottom Layer w7.87: L7_15.2@15255.75,3801.33 v1(15255.75,3872.86)
NewNet12: H8.3 L7_15.1 | length 6950.7
  Bottom Layer w7.87: H8.3@15070.53,10203 15070.53,10135 15164.53,10041 15367.53,10041 15444.85,9963.68 15444.85,9842 15444.85,3743.33 15255.75,3743.33 L7_15.1@15255.75,3771.33
NewNet13: FL8_15.1 L8_15.2 | length 71.5
  Bottom Layer w7.87: L8_15.2@15255.75,2817.08 v1(15255.75,2888.61)
NewNet14: H8.4 L8_15.1 | length 8055.8
  Bottom Layer w7.87: H8.4@15070.53,10303 15119.53,10254 15119.53,10146 15200.53,10065 15391.53,10065 15464.54,9991.99 15464.54,9842 15464.54,2759.08 15255.75,2759.08 L8_15.1@15255.75,2787.08
NewNet15: FL9_15.1 L9_15.2 | length 71.5
  Bottom Layer w7.87: L9_15.2@15255.75,1832.83 v1(15255.75,1904.35)
NewNet16: H8.1 L9_15.1 | length 8917.1
  Bottom Layer w7.87: H8.1@15170.53,10203 15170.53,10154 15232.53,10092 15407.53,10092 15484.22,10015.31 15484.22,9842 15484.22,1774.83 15255.75,1774.83 L9_15.1@15255.75,1802.83
NewNet17: FL10_15.1 L10_15.2 | length 71.5
  Bottom Layer w7.87: L10_15.2@15255.75,848.57 v1(15255.75,920.1)
NewNet18: H8.2 L10_15.1 | length 10008.7
  Bottom Layer w7.87: H8.2@15170.53,10303 15218.53,10255 15218.53,10174 15270.53,10122 15410.53,10122 15503.91,10028.62 15503.91,9842 15503.91,790.57 15255.75,790.57 L10_15.1@15255.75,818.57
NewNet19: FL1_15.1 L1_15.2 | length 71.5
  Bottom Layer w7.87: L1_15.2@15255.75,9706.84 v1(15255.75,9778.37)
NewNet20: H8.9 L1_15.1 | length 1056.3
  Bottom Layer w7.87: H8.9@14770.53,10203 14770.53,10109 14988.53,9891 15283.53,9891 15326.74,9847.79 15326.74,9842 15326.74,9648.84 15255.75,9648.84 L1_15.1@15255.75,9676.84
NewNet21: FL2_14.1 L2_14.2 | length 71.5
  Bottom Layer w7.87: L2_14.2@14271.5,8722.59 v1(14271.5,8794.12)
NewNet22: H8.20 L2_14.1 | length 1795
  Bottom Layer w7.87: H8.20@14270.53,10303 14319.53,10254 14319.53,9938 14362.17,9895.35 14362.17,8664.59 14271.5,8664.59 L2_14.1@14271.5,8692.59
NewNet23: FL3_14.1 L3_14.2 | length 71.5
  Bottom Layer w7.87: L3_14.2@14271.5,7738.34 v1(14271.5,7809.87)
NewNet24: H8.17 L3_14.1 | length 2665.7
  Bottom Layer w7.87: L3_14.1@14271.5,7708.34 14271.5,7680.34 14381.86,7680.34 14381.86,9924.67 14370.53,9936 H8.17@14370.53,10203
NewNet25: FL4_14.1 L4_14.2 | length 71.5
  Bottom Layer w7.87: L4_14.2@14271.5,6754.09 v1(14271.5,6825.61)
NewNet26: H8.18 L4_14.1 | length 3793.5
  Bottom Layer w7.87: L4_14.1@14271.5,6724.09 14271.5,6696.09 14401.54,6696.09 14401.54,10142.02 14420.53,10161 14420.53,10253 H8.18@14370.53,10303
NewNet27: FL5_14.1 L5_14.2 | length 71.5
  Bottom Layer w7.87: L5_14.2@14271.5,5769.83 v1(14271.5,5841.36)
NewNet28: H8.15 L5_14.1 | length 4689.3
  Bottom Layer w7.87: L5_14.1@14271.5,5739.83 14271.5,5711.83 14421.23,5711.83 14421.23,10093.7 14470.53,10143 H8.15@14470.53,10203
NewNet29: FL6_14.1 L6_14.2 | length 71.5
  Bottom Layer w7.87: L6_14.2@14271.5,4785.58 v1(14271.5,4857.11)
NewNet30: H8.16 L6_14.1 | length 5826.5
  Bottom Layer w7.87: L6_14.1@14271.5,4755.58 14271.5,4727.58 14440.91,4727.58 14440.91,10070.39 14520.53,10150 14520.53,10253 H8.16@14470.53,10303
NewNet31: FL7_14.1 L7_14.2 | length 71.5
  Bottom Layer w7.87: L7_14.2@14271.5,3801.33 v1(14271.5,3872.86)
NewNet32: H8.13 L7_14.1 | length 6722.3
  Bottom Layer w7.87: L7_14.1@14271.5,3771.33 14271.5,3743.33 14460.6,3743.33 14460.6,10040.07 14570.53,10150 H8.13@14570.53,10203
NewNet33: FL8_14.1 L8_14.2 | length 71.5
  Bottom Layer w7.87: L8_14.2@14271.5,2817.08 v1(14271.5,2888.61)
NewNet34: H8.14 L8_14.1 | length 7858.7
  Bottom Layer w7.87: L8_14.1@14271.5,2787.08 14271.5,2759.08 14480.28,2759.08 14480.28,10011.76 14619.53,10151 14619.53,10254 H8.14@14570.53,10303
NewNet35: FL9_14.1 L9_14.2 | length 71.5
  Bottom Layer w7.87: L9_14.2@14271.5,1832.83 v1(14271.5,1904.35)
NewNet36: H8.11 L9_14.1 | length 8755.3
  Bottom Layer w7.87: L9_14.1@14271.5,1802.83 14271.5,1774.83 14499.97,1774.83 14499.97,9968.44 14670.53,10139 H8.11@14670.53,10203
NewNet37: FL10_14.1 L10_14.2 | length 71.5
  Bottom Layer w7.87: L10_14.2@14271.5,848.57 v1(14271.5,920.1)
NewNet38: H8.12 L10_14.1 | length 9890
  Bottom Layer w7.87: L10_14.1@14271.5,818.57 14271.5,790.57 14519.65,790.57 14519.65,9952.13 14717.53,10150 14717.53,10256 H8.12@14670.53,10303
NewNet39: FL1_14.1 L1_14.2 | length 71.5
  Bottom Layer w7.87: L1_14.2@14271.5,9706.84 v1(14271.5,9778.37)
NewNet40: H8.19 L1_14.1 | length 683
  Bottom Layer w7.87: H8.19@14270.53,10203 14270.53,9913.96 14342.49,9842 14342.49,9648.84 14271.5,9648.84 L1_14.1@14271.5,9676.84
NewNet41: FL2_13.1 L2_13.2 | length 71.5
  Bottom Layer w7.87: L2_13.2@13287.24,8722.59 v1(13287.24,8794.12)
NewNet42: H7.14 L2_13.1 | length 2157.3
  Bottom Layer w7.87: H7.14@12802.02,10303 12853.02,10252 12853.02,10114 13043.02,9924 13319.02,9924 13377.92,9865.1 13377.92,8664.59 13287.24,8664.59 L2_13.1@13287.24,8692.59
NewNet43: FL3_13.1 L3_13.2 | length 71.5
  Bottom Layer w7.87: L3_13.2@13287.24,7738.34 v1(13287.24,7809.87)
NewNet44: H7.11 L3_13.1 | length 3013.9
  Bottom Layer w7.87: H7.11@12902.02,10203 12902.02,10119 13069.02,9952 13321.02,9952 13397.61,9875.42 13397.61,7680.34 13287.24,7680.34 L3_13.1@13287.24,7708.34
NewNet45: FL4_13.1 L4_13.2 | length 71.5
  Bottom Layer w7.87: L4_13.2@13287.24,6754.09 v1(13287.24,6825.61)
NewNet46: H7.12 L4_13.1 | length 4119.6
  Bottom Layer w7.87: H7.12@12902.02,10303 12949.02,10256 12949.02,10122 13099.02,9972 13340.02,9972 13417.29,9894.73 13417.29,6696.09 13287.24,6696.09 L4_13.1@13287.24,6724.09
NewNet47: FL5_13.1 L5_13.2 | length 71.5
  Bottom Layer w7.87: L5_13.2@13287.24,5769.83 v1(13287.24,5841.36)
NewNet48: H7.9 L5_13.1 | length 4980.3
  Bottom Layer w7.87: H7.9@13002.02,10203 13002.02,10126 13132.02,9996 13356.02,9996 13436.98,9915.05 13436.98,5711.83 13287.24,5711.83 L5_13.1@13287.24,5739.83
NewNet49: FL6_13.1 L6_13.2 | length 71.5
  Bottom Layer w7.87: L6_13.2@13287.24,4785.58 v1(13287.24,4857.11)
NewNet50: H7.10 L6_13.1 | length 6086.5
  Bottom Layer w7.87: H7.10@13002.02,10303 13052.02,10253 13052.02,10123 13159.02,10016 13373.02,10016 13456.66,9932.36 13456.66,4727.58 13287.24,4727.58 L6_13.1@13287.24,4755.58
NewNet51: FL7_13.1 L7_13.2 | length 71.5
  Bottom Layer w7.87: L7_13.2@13287.24,3801.33 v1(13287.24,3872.86)
NewNet52: H7.7 L7_13.1 | length 6950.7
  Bottom Layer w7.87: H7.7@13102.02,10203 13102.02,10135 13196.02,10041 13399.02,10041 13476.35,9963.68 13476.35,3743.33 13287.24,3743.33 L7_13.1@13287.24,3771.33
NewNet53: FL8_13.1 L8_13.2 | length 71.5
  Bottom Layer w7.87: L8_13.2@13287.24,2817.08 v1(13287.24,2888.61)
NewNet54: H7.8 L8_13.1 | length 8055.8
  Bottom Layer w7.87: H7.8@13102.02,10303 13151.02,10254 13151.02,10146 13232.02,10065 13423.02,10065 13496.03,9991.99 13496.03,2759.08 13287.24,2759.08 L8_13.1@13287.24,2787.08
NewNet55: FL9_13.1 L9_13.2 | length 71.5
  Bottom Layer w7.87: L9_13.2@13287.24,1832.83 v1(13287.24,1904.35)
NewNet56: H7.5 L9_13.1 | length 8917.1
  Bottom Layer w7.87: H7.5@13202.02,10203 13202.02,10154 13264.02,10092 13439.02,10092 13515.72,10015.31 13515.72,1774.83 13287.24,1774.83 L9_13.1@13287.24,1802.83
NewNet57: FL10_13.1 L10_13.2 | length 71.5
  Bottom Layer w7.87: L10_13.2@13287.24,848.57 v1(13287.24,920.1)
NewNet58: H7.6 L10_13.1 | length 10008.7
  Bottom Layer w7.87: H7.6@13202.02,10303 13250.02,10255 13250.02,10174 13302.02,10122 13442.02,10122 13535.4,10028.62 13535.4,790.57 13287.24,790.57 L10_13.1@13287.24,818.57
NewNet59: FL1_13.1 L1_13.2 | length 71.5
  Bottom Layer w7.87: L1_13.2@13287.24,9706.84 v1(13287.24,9778.37)
NewNet60: H7.13 L1_13.1 | length 1056.3
  Bottom Layer w7.87: H7.13@12802.02,10203 12802.02,10109 13020.02,9891 13315.02,9891 13358.24,9847.79 13358.24,9648.84 13287.24,9648.84 L1_13.1@13287.24,9676.84
NewNet61: FL2_12.1 L2_12.2 | length 71.5
  Bottom Layer w7.87: L2_12.2@12302.99,8722.59 v1(12302.99,8794.12)
NewNet62: H7.24 L2_12.1 | length 1795
  Bottom Layer w7.87: H7.24@12302.02,10303 12351.02,10254 12351.02,9938 12393.67,9895.35 12393.67,8664.59 12302.99,8664.59 L2_12.1@12302.99,8692.59
NewNet63: FL3_12.1 L3_12.2 | length 71.5
  Bottom Layer w7.87: L3_12.2@12302.99,7738.34 v1(12302.99,7809.87)